# Altium PCB DM2080.PcbDoc (part 2 of 3)
Units mm, origin at the board's own origin, x right, y up, seen from the top; angles counter-clockwise.
Board outline 50.1 x 30.75 mm, 6 copper layers (Top Copper, Layer 1, Layer 2, Layer 3, Layer 4, Bottom Layer), stack 1.578 mm thick; 159 components, 153 nets, 662 pads, 471 vias.
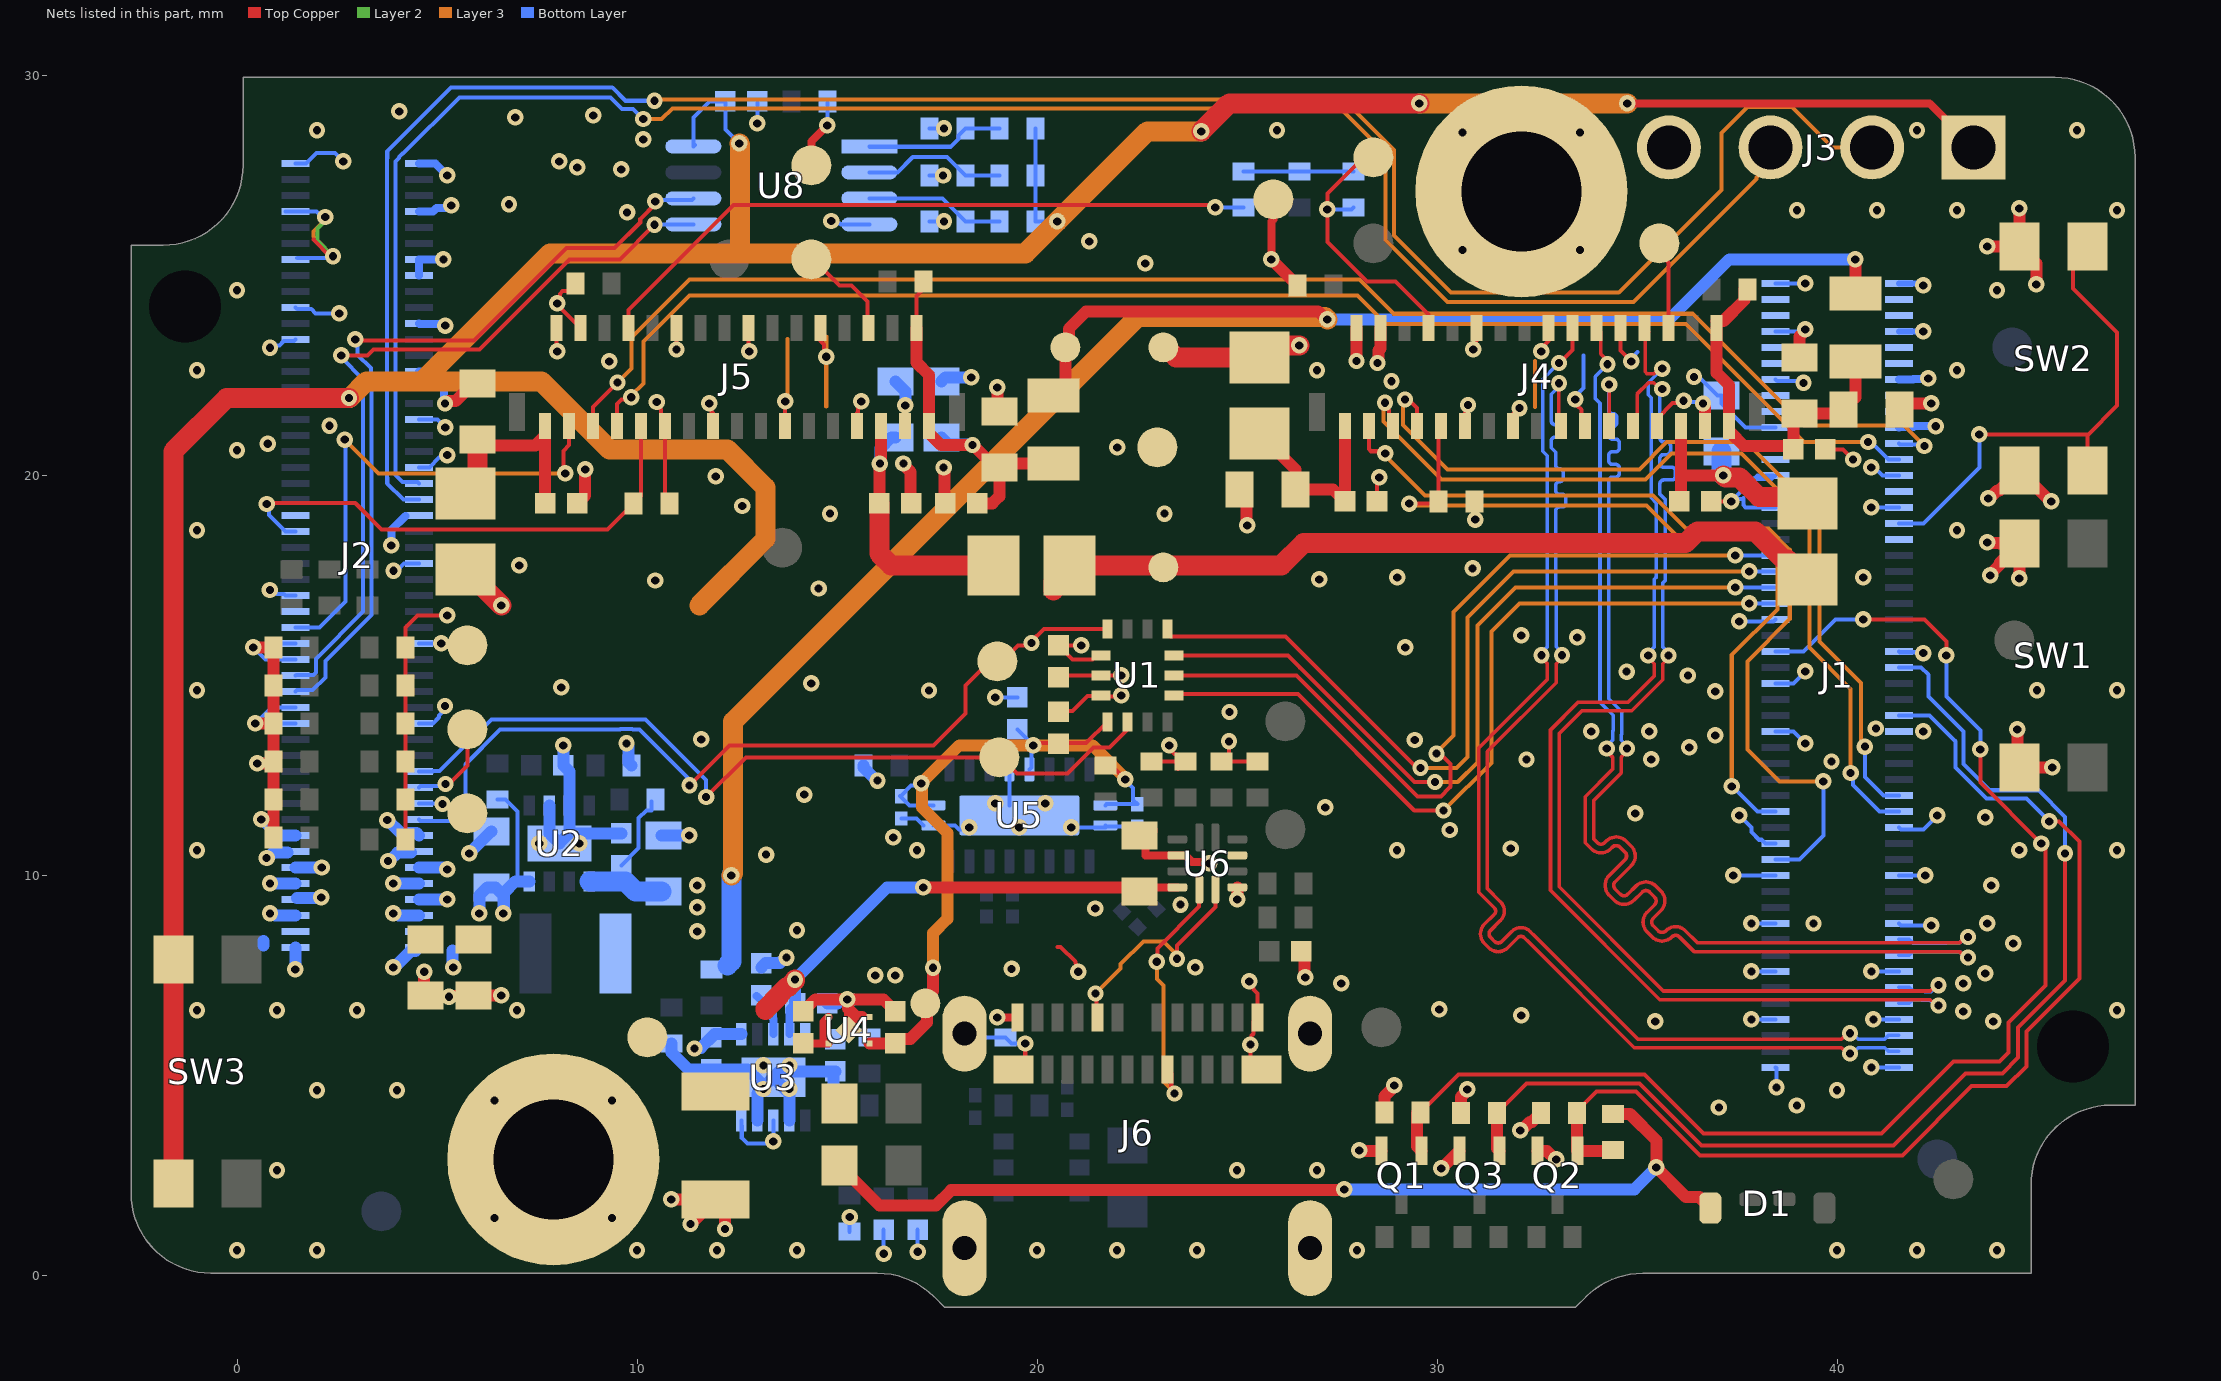
[diagram p6: the nets of this part, all layers, seen from the top]

## Part data (continued)
R34: library part RC0402FR-075K11L, "RES SMD 5.11K OHM 1% 1/16W 0402 5.11 kOhms ±1% 0.063W, 1/16W Chip Resistor 0402 (1005 Metric) Moisture Resistant Thick Film", Case Code (Imperial)=0402, Case Code (Metric)=1005, Manufacturer 1=Yageo, Max Operating Temperature=155°C, Max Power Dissipation=63mW, Min Operating Temperature=-55°C, Package Quantity=1, Power Rating=62.5mW, Resistance=5.11kR, Supplier Part Number 1=311-5.11KLRCT-ND, Temperature Coefficient=100ppm/°C, Tolerance=1%, Voltage Rating=50V, Case/Package=0402, ComponentLink1Description=https://datasheet.ciiva.com/2518/pyu-r-int-thick-7-2518982.pdf?src-supplier=Digi-Key, ComponentLink1URL=https://datasheet.ciiva.com/2518/pyu-r-int-thick-7-2518982.pdf?src-supplier=Digi-Key, ComponentLink2Description=https://datasheet.ciiva.com/2518/pyu-r-int-thick-7-2518983.pdf?src-supplier=Digi-Key, ComponentLink2URL=https://datasheet.ciiva.com/2518/pyu-r-int-thick-7-2518983.pdf?src-supplier=Digi-Key, ComponentLink3Description=https://datasheet.ciiva.com/5684/1018594-5684622.pdf?src-supplier=Farnell, ComponentLink3URL=https://datasheet.ciiva.com/5684/1018594-5684622.pdf?src-supplier=Farnell, ComponentLink4Description=https://datasheet.ciiva.com/16743/pyu-rc0402-51-rohs-l-6-r-16743871.pdf?src-supplier=Future+Electronics, ComponentLink4URL=https://datasheet.ciiva.com/16743/pyu-rc0402-51-rohs-l-6-r-16743871.pdf?src-supplier=Future+Electronics, Composition="Thick Film", Depth=0.5mm, Features="Moisture Resistant", Height=0.016inch, Lead Free="Lead Free", Length=1mm, Manufacturer Part Number 1=RC0402FR-075K11L, Military Standard=Not, Number of Terminations=2, Packaging="Tape and Reel", Pricing 1="1=0.10000, 10=0.01600, 100=0.00670, 1000=0.00301, 2500=0.00261, 5000=0.00215 (USD)", RoHS=Yes, Stock 1=1263456, Supplier 1=Digi-Key, Termination=SMD/SMT, Voltage Rating (DC)=50V, Width=0.02inch, Working Voltage=50V
R35: library part CMP-013-000048-1, "RES SMD 26.1K OHM 1% 1/16W 0402", Case Code (Imperial)=0402, Case Code (Metric)=1005, Manufacturer 1=Yageo, Max Operating Temperature=155°C, Max Power Dissipation=63mW, Min Operating Temperature=-55°C, Package Quantity=1, Power Rating=62.5mW, Resistance=26.1kR, Resistance Tolerance=1%, Resistor Type="Thick Film", Temperature Coefficient=100ppm/°C, Voltage Rating=50V, Case/Package=0402, Category="Chip SMD Resistors", ComponentLink1Description=https://datasheet.ciiva.com/2491/pyu-r-int-thick-7-2491282.pdf?src-supplier=Digi-Key, ComponentLink1URL=https://datasheet.ciiva.com/2491/pyu-r-int-thick-7-2491282.pdf?src-supplier=Digi-Key, ComponentLink2Description=https://datasheet.ciiva.com/2491/pyu-r-int-thick-7-2491283.pdf?src-supplier=Digi-Key, ComponentLink2URL=https://datasheet.ciiva.com/2491/pyu-r-int-thick-7-2491283.pdf?src-supplier=Digi-Key, ComponentLink3Description=https://datasheet.ciiva.com/2491/pyu-r-int-thick-7-2491284.pdf?src-supplier=Digi-Key, ComponentLink3URL=https://datasheet.ciiva.com/2491/pyu-r-int-thick-7-2491284.pdf?src-supplier=Digi-Key, ComponentLink4Description=https://datasheet.ciiva.com/28401/pyu-rc0402-51-rohs-l-6-28401479.pdf?src-supplier=Avnet+Europe, ComponentLink4URL=https://datasheet.ciiva.com/28401/pyu-rc0402-51-rohs-l-6-28401479.pdf?src-supplier=Avnet+Europe, ComponentLink5Description=https://datasheet.ciiva.com/7983/1018594-7983512.pdf?src-supplier=Element14, ComponentLink5URL=https://datasheet.ciiva.com/7983/1018594-7983512.pdf?src-supplier=Element14, ComponentLink6Description=https://datasheet.ciiva.com/5595/pyu-rc0402-51-rohs-l-6-r-8721-5595932.pdf?src-supplier=Mouser, ComponentLink6URL=https://datasheet.ciiva.com/5595/pyu-rc0402-51-rohs-l-6-r-8721-5595932.pdf?src-supplier=Mouser, Construction=Rectangular, Contact Plating=Tin,Matte, Depth=0.5mm, Design Item ID=RC0402FR-0726K1L, Features="Moisture Resistant", Height=0.016inch, Lead Free="Lead Free", Length=1mm, Manufacturer Part Number 1=RC0402FR-0726K1L, Military Standard=Not, Number of Terminations=2, Packaging="Tape and Reel", Pricing 1="1=0,10000, 10=0,01400, 100=0,00580, 1000=0,00260, 2500=0,00226, 5000=0,00186 (USD)", REACH SVHC="No SVHC", RoHS=Yes, RoHS Compliant=Yes, Series=RC, Size Code=0402, Source=LuxonisMaster.SchLib, Stock 1=186950, Termination=SMD/SMT, Tolerance=1%, Voltage Rating (DC)=50V, Width=0.02inch
R36: library part CMP-013-000057-1, "RES SMD 6.19K 1% 1/16W 0402", Case Code (Imperial)=0402, Case Code (Metric)=1005, Manufacturer 1=Yageo, Max Operating Temperature=155°C, Max Power Dissipation=63mW, Min Operating Temperature=-55°C, Power Rating=62.5mW, Resistance=6.19kR, Resistor Type="Thick Film", Temperature Coefficient=100ppm/°C, Tolerance=1%, Voltage Rating=50V, Case/Package=0402, Category="Chip SMD Resistors", ComponentLink1Description=https://datasheet.ciiva.com/8892/pyu-rc0402-51-rohs-l-6-8892361.pdf?src-supplier=Avnet, ComponentLink1URL=https://datasheet.ciiva.com/8892/pyu-rc0402-51-rohs-l-6-8892361.pdf?src-supplier=Avnet, ComponentLink2Description=https://datasheet.ciiva.com/17066/pyu-rc0402-51-rohs-l-6-r-17066229.pdf?src-supplier=Future+Electronics, ComponentLink2URL=https://datasheet.ciiva.com/17066/pyu-rc0402-51-rohs-l-6-r-17066229.pdf?src-supplier=Future+Electronics, Construction=Rectangular, Contact Plating=Tin,Matte, Depth=0.5mm, Design Item ID=RC0402FR-076K19L, Features="Moisture Resistant", Lead Free="Lead Free", Length=1mm, Manufacturer Part Number 1=RC0402FR-076K19L, Military Standard=Not, Number of Terminations=2, Packaging="Tape and Reel", Pricing 1="1=0,10000, 10=0,01240, 25=0,01040 (USD)", RoHS=Yes, RoHS Compliant=Yes, Series=RC, Size Code=0402, Source=LuxonisMaster.SchLib, Stock 1=37, Termination=SMD/SMT, Voltage Rating (DC)=50V
R45 R46: library part CRCW04021M80FKED, "RES SMD 1.8M OHM 1% 1/16W 0402", Case Code (Imperial)=0402, Case Code (Metric)=1005, Manufacturer 1=Vishay, Max Operating Temperature=155°C, Min Operating Temperature=-55°C, Package Quantity=10000, Power Rating=63mW, Resistance=1.8MR, Supplier Part Number 1=541-1.80MLCT-ND, Temperature Coefficient=100ppm/°C, Tolerance=1%, Voltage Rating=50V, Case/Package=0402, ComponentLink1Description=https://datasheet.ciiva.com/11812/0900766b80d98824-11812579.pdf?src-supplier=RSComponents, ComponentLink1URL=https://datasheet.ciiva.com/11812/0900766b80d98824-11812579.pdf?src-supplier=RSComponents, ComponentLink2Description=https://datasheet.ciiva.com/16886/dcrcwe3-16886536.pdf?src-supplier=Avnet+Europe, ComponentLink2URL=https://datasheet.ciiva.com/16886/dcrcwe3-16886536.pdf?src-supplier=Avnet+Europe, ComponentLink3Description=https://datasheet.ciiva.com/7800/1697337-7800987.pdf?src-supplier=Element14, ComponentLink3URL=https://datasheet.ciiva.com/7800/1697337-7800987.pdf?src-supplier=Element14, ComponentLink4Description=https://datasheet.ciiva.com/16786/70201119-16786875.pdf?src-supplier=Allied+Electronics, ComponentLink4URL=https://datasheet.ciiva.com/16786/70201119-16786875.pdf?src-supplier=Allied+Electronics, ComponentLink5Description=https://datasheet.ciiva.com/22676/1700796-22676027.pdf?src-supplier=Element14, ComponentLink5URL=https://datasheet.ciiva.com/22676/1700796-22676027.pdf?src-supplier=Element14, ComponentLink6Description=https://datasheet.ciiva.com/7800/1697337-7800988.pdf?src-supplier=Element14, ComponentLink6URL=https://datasheet.ciiva.com/7800/1697337-7800988.pdf?src-supplier=Element14, ComponentLink7Description=https://datasheet.ciiva.com/26316/fld-crcw-e3-data-en-26316605.pdf?src-supplier=Distrelec, ComponentLink7URL=https://datasheet.ciiva.com/26316/fld-crcw-e3-data-en-26316605.pdf?src-supplier=Distrelec, ComponentLink8Description=https://datasheet.ciiva.com/8336/dcrcwe3-8336646.pdf?src-supplier=Avnet, ComponentLink8URL=https://datasheet.ciiva.com/8336/dcrcwe3-8336646.pdf?src-supplier=Avnet, Composition="Thick Film", Contact Plating=Tin, Depth=0.5mm, Height=0.35mm, Lead Free="Lead Free", Length=1mm, Manufacturer Part Number 1=CRCW04021M80FKED, Military Standard=Not, Mount="Surface Mount", Number of Pins=2, Packaging="Tape and Reel", Pricing 1="1=0.10000, 10=0.03800, 100=0.01540, 1000=0.00690, 2500=0.00599, 5000=0.00495 (USD)", Radiation Hardening=No, REACH SVHC=Unknown, RoHS=Yes, Stock 1=26061, Supplier 1=Digi-Key, Termination=SMD/SMT, Voltage Rating (DC)=50V, Weight=2.3E-05oz, Width=0.5mm
R51: library part CRCW0402470RFKED, "RES SMD 470 OHM 1% 1/16W 0402", Case Code (Imperial)=0402, Case Code (Metric)=1005, Manufacturer 1=Vishay, Max Operating Temperature=155°C, Max Power Dissipation=63mW, Min Operating Temperature=-55°C, Package Quantity=10, Resistance=470R, Supplier Part Number 1=541-470LCT-ND, Temperature Coefficient=100ppm/°C, Tolerance=1%, Voltage Rating=50V, Case/Package=0402, ComponentLink1Description=https://datasheet.ciiva.com/11811/0900766b80d98824-11811416.pdf?src-supplier=RSComponents, ComponentLink1URL=https://datasheet.ciiva.com/11811/0900766b80d98824-11811416.pdf?src-supplier=RSComponents, ComponentLink2Description=https://datasheet.ciiva.com/16764/70201119-16764886.pdf?src-supplier=Allied+Electronics, ComponentLink2URL=https://datasheet.ciiva.com/16764/70201119-16764886.pdf?src-supplier=Allied+Electronics, ComponentLink3Description=https://datasheet.ciiva.com/28613/1720486-28613479.pdf?src-supplier=Element14, ComponentLink3URL=https://datasheet.ciiva.com/28613/1720486-28613479.pdf?src-supplier=Element14, ComponentLink4Description=https://datasheet.ciiva.com/3256/dcrcwe3-3256553.pdf?src-supplier=Avnet, ComponentLink4URL=https://datasheet.ciiva.com/3256/dcrcwe3-3256553.pdf?src-supplier=Avnet, ComponentLink5Description=https://datasheet.ciiva.com/7777/1720486-7777243.pdf?src-supplier=Element14, ComponentLink5URL=https://datasheet.ciiva.com/7777/1720486-7777243.pdf?src-supplier=Element14, ComponentLink6Description=https://datasheet.ciiva.com/8336/dcrcwe3-8336715.pdf?src-supplier=Avnet, ComponentLink6URL=https://datasheet.ciiva.com/8336/dcrcwe3-8336715.pdf?src-supplier=Avnet, ComponentLink7Description=https://datasheet.ciiva.com/7777/1697337-7777244.pdf?src-supplier=Element14, ComponentLink7URL=https://datasheet.ciiva.com/7777/1697337-7777244.pdf?src-supplier=Element14, ComponentLink8Description=https://datasheet.ciiva.com/2463/dcrcwe3-2463085.pdf?src-supplier=Digi-Key, ComponentLink8URL=https://datasheet.ciiva.com/2463/dcrcwe3-2463085.pdf?src-supplier=Digi-Key, ComponentLink9Description=https://datasheet.ciiva.com/16362/dcrcwe3-16362109.pdf?src-supplier=Future+Electronics, ComponentLink9URL=https://datasheet.ciiva.com/16362/dcrcwe3-16362109.pdf?src-supplier=Future+Electronics, ComponentLink10Description=https://datasheet.ciiva.com/16882/dcrcwe3-16882493.pdf?src-supplier=Avnet+Europe, ComponentLink10URL=https://datasheet.ciiva.com/16882/dcrcwe3-16882493.pdf?src-supplier=Avnet+Europe, ComponentLink11Description=https://datasheet.ciiva.com/2463/dcrcwe3-2463086.pdf?src-supplier=Digi-Key, ComponentLink11URL=https://datasheet.ciiva.com/2463/dcrcwe3-2463086.pdf?src-supplier=Digi-Key, ComponentLink12Description=https://datasheet.ciiva.com/2463/dcrcwe3-2463087.pdf?src-supplier=Digi-Key, ComponentLink12URL=https://datasheet.ciiva.com/2463/dcrcwe3-2463087.pdf?src-supplier=Digi-Key, Composition="Thick Film", Contact Plating=Tin, Depth=0.5mm, Features="Automotive AEC-Q200", Height=0.35mm, Lead Free="Lead Free", Length=1mm, Manufacturer Part Number 1=CRCW0402470RFKED, Military Standard=Not, Mount="Surface Mount", Number of Terminations=2, Packaging="Tape and Reel", Power Rating=63mW, Pricing 1="1=0.10000, 10=0.03800, 100=0.01540, 1000=0.00690, 2500=0.00599, 5000=0.00495 (USD)", Radiation Hardening=No, REACH SVHC=Unknown, RoHS=Yes, Stock 1=9199, Supplier 1=Digi-Key, Supplier 2=Newark, Supplier Part Number 2=26W9133, Termination=SMD/SMT, Voltage Rating (DC)=50V, Weight=2.3E-05oz, Width=0.5mm
R52: library part ERJ-2RKF1782X, "RES SMD 17.8K OHM 1% 1/10W 0402 17.8 kOhms ±1% 0.1W, 1/10W Chip Resistor 0402 (1005 Metric) Automotive AEC-Q200 Thick Film", Case Code (Imperial)=0402, Case Code (Metric)=1005, Manufacturer 1=Panasonic, Max Operating Temperature=155°C, Max Power Dissipation=100mW, Min Operating Temperature=-55°C, Package Quantity=1, Resistance=17.8kR, Supplier Part Number 1=P17.8KLCT-ND, Temperature Coefficient=100ppm/°C, Tolerance=1%, Voltage Rating=50V, Case/Package=0402, ComponentLink1Description=https://datasheet.ciiva.com/24027/aoa0000ce2-24027013.pdf?src-supplier=Mouser, ComponentLink1URL=https://datasheet.ciiva.com/24027/aoa0000ce2-24027013.pdf?src-supplier=Mouser, ComponentLink2Description=https://datasheet.ciiva.com/46372/1678782-46372997.pdf?src-supplier=Element14, ComponentLink2URL=https://datasheet.ciiva.com/46372/1678782-46372997.pdf?src-supplier=Element14, ComponentLink3Description=https://datasheet.ciiva.com/28594/1694929-28594534.pdf?src-supplier=Element14, ComponentLink3URL=https://datasheet.ciiva.com/28594/1694929-28594534.pdf?src-supplier=Element14, ComponentLink4Description=https://datasheet.ciiva.com/46372/1678782-46372998.pdf?src-supplier=Element14, ComponentLink4URL=https://datasheet.ciiva.com/46372/1678782-46372998.pdf?src-supplier=Element14, ComponentLink5Description=https://datasheet.ciiva.com/22764/1678782-22764807.pdf?src-supplier=Farnell, ComponentLink5URL=https://datasheet.ciiva.com/22764/1678782-22764807.pdf?src-supplier=Farnell, ComponentLink6Description=https://datasheet.ciiva.com/16769/70260748-16769816.pdf?src-supplier=Allied+Electronics, ComponentLink6URL=https://datasheet.ciiva.com/16769/70260748-16769816.pdf?src-supplier=Allied+Electronics, ComponentLink7Description=https://datasheet.ciiva.com/30116/aoa0000ce2-30116554.pdf?src-supplier=Onlinecomponents.com, ComponentLink7URL=https://datasheet.ciiva.com/30116/aoa0000ce2-30116554.pdf?src-supplier=Onlinecomponents.com, ComponentLink8Description=https://datasheet.ciiva.com/16775/70260748-16775211.pdf?src-supplier=Allied+Electronics, ComponentLink8URL=https://datasheet.ciiva.com/16775/70260748-16775211.pdf?src-supplier=Allied+Electronics, ComponentLink9Description=https://datasheet.ciiva.com/43467/1678782-43467419.pdf?src-supplier=Farnell, ComponentLink9URL=https://datasheet.ciiva.com/43467/1678782-43467419.pdf?src-supplier=Farnell, ComponentLink10Description=https://datasheet.ciiva.com/22668/1678782-22668623.pdf?src-supplier=Element14, ComponentLink10URL=https://datasheet.ciiva.com/22668/1678782-22668623.pdf?src-supplier=Element14, Composition="Thick Film", Contact Plating=Tin, Depth=0.5mm, Features="Automotive AEC-Q200", Height=0.35mm, Lead Free="Lead Free", Length=1mm, Manufacturer Part Number 1=ERJ-2RKF1782X, Military Standard=Not, Mount="Surface Mount", Number of Terminations=2, Packaging="Tape and Reel", Power Rating=100mW, Pricing 1="1=0.10000, 10=0.04500, 100=0.01830, 1000=0.00823, 2500=0.00715, 5000=0.00590 (USD)", REACH SVHC=Unknown, RoHS=Yes, Stock 1=250542, Supplier 1=Digi-Key, Termination=SMD/SMT, Voltage Rating (DC)=50V, Width=0.02inch
SW1 SW2 SW3: library part CMP-011-00016-3, "Keypad Switch, 1 Switches, SPST, Momentary-tactile, 0.05A, 12VDC, 2.65N, Solder Terminal, Surface Mount-right Angle", Current Rating=50mA, Manufacturer 1="Wurth Electronics", Supplier Part Number 1=732-7055-2-ND, Voltage Rating=12V, Case/Package=434331045822, Manufacturer Part Number 1=434331045822, Max Current Rating=50mA, Mounting Technology=SMD, Pins=4, Supplier 1=Digi-Key, Throw Configuration=SPST-NO
TP1 TP2 TP3 TP4 TP5 TP6 TP7 TP8 TP9 TP10 TP11 TP12 TP13 TP14 TP15 TP16 TP17 TP18 TP19 TP20 TP21: library part TEST_POINT
  TP7 TP8 TP14: REACH SVHC="No SVHC", RoHS=Yes
U1: "Accelerometer, Gyroscope, 6 Axis Sensor IÂ²C, SPI Output", Manufacturer 1="Bosch Sensortec", Package="LGA-14 Bosch Sensortec", Availability=Unavailable, Manufacturer Part Number 1=BMI270, Price=None, SnapEDA_Link=https://www.snapeda.com/parts/BMI270/Bosch%20Sensortec/view-part/3595167/?ref=snap
U2: "IC REG BUCK ADJ 1.2A SYNC 8WSON", Manufacturer 1="Texas Instruments", Manufacturer Part Number 1=TLV62080DSGR, Manufacturer Part Number 2=TLV62080DSGT, Max Input Voltage=5.5V, Max Operating Temperature=125°C, Max Output Current=1.2A, Max Output Voltage=4V, Min Input Voltage=2.5V, Min Operating Temperature=-40°C, Min Output Voltage=500mV, Nominal Supply Current=30uA, Package Quantity=3000, Supplier Part Number 1=296-39270-1-ND, Switching Frequency=2MHz, ComponentLink1Description=https://datasheet.ciiva.com/6604/tlv62080-6604087.pdf?src-supplier=Digi-Key, ComponentLink1URL=https://datasheet.ciiva.com/6604/tlv62080-6604087.pdf?src-supplier=Digi-Key, ComponentLink2Description=https://datasheet.ciiva.com/14378/tlv62080-14378282.pdf?src-supplier=Avnet, ComponentLink2URL=https://datasheet.ciiva.com/14378/tlv62080-14378282.pdf?src-supplier=Avnet, ComponentLink3Description=https://datasheet.ciiva.com/29732/tlv62080-29732147.pdf?src-supplier=Digi-Key, ComponentLink3URL=https://datasheet.ciiva.com/29732/tlv62080-29732147.pdf?src-supplier=Digi-Key, ComponentLink4Description=https://datasheet.ciiva.com/29732/tlv62080-29732156.pdf?src-supplier=Digi-Key, ComponentLink4URL=https://datasheet.ciiva.com/29732/tlv62080-29732156.pdf?src-supplier=Digi-Key, ComponentLink5Description=https://datasheet.ciiva.com/29732/tlv62080-29732151.pdf?src-supplier=Digi-Key, ComponentLink5URL=https://datasheet.ciiva.com/29732/tlv62080-29732151.pdf?src-supplier=Digi-Key, ComponentLink6Description=https://datasheet.ciiva.com/14378/tlv62080-14378283.pdf?src-supplier=Avnet, ComponentLink6URL=https://datasheet.ciiva.com/14378/tlv62080-14378283.pdf?src-supplier=Avnet, ComponentLink7Description=https://datasheet.ciiva.com/26104/tlv62080-26104460.pdf?src-supplier=Avnet+Europe, ComponentLink7URL=https://datasheet.ciiva.com/26104/tlv62080-26104460.pdf?src-supplier=Avnet+Europe, Contact Plating=Gold, Lead Free="Lead Free", Manufacturer 2="Texas Instruments", Min Supply Voltage=2.5V, Mount="Surface Mount", Number of Outputs=1, Number of Pins=8, Output Configuration=Positive, Output Current=1.2A, Output Type=Adjustable, Output Voltage=4V, Packaging="Tape and Reel", Pricing 1="1=1.35000, 10=1.20300, 100=0.93810, 500=0.77498, 1000=0.61182 (USD)", Pricing 2="1=1.48000, 10=1.32700, 100=1.06620 (USD)", Quiescent Current=30uA, Radiation Hardening=No, REACH SVHC="No SVHC", RoHS=Yes, Stock 1=93781, Stock 2=6366, Supplier 1=Digi-Key, Supplier 2=Digi-Key, Supplier Part Number 2=296-36759-1-ND, Synchronous Rectifier=Yes
U3: "TLV752 Dual, 1-A, High-Accuracy, Adjustable-LDO in a Small-Size Package", Manufacturer 1="Texas Instruments", Copyright="Copyright (C) 2021 Ultra Librarian. All rights reserved.", Manufacturer Part Number 1=TLV75201PDSQR, RefDes=RefDes, Type=DEV
U4: library part CMP-043-000003-3, "LDO Regulator, 300 mA, High PSRR 3.3V, Active Discharge", Dropout Voltage=135mV, Manufacturer 1="ON Semiconductor", Max Input Voltage=5.5V, Max Operating Temperature=85°C, Max Output Current=300mA, Min Input Voltage=1.7V, Min Operating Temperature=-40°C, Min Output Voltage=3.3V, Package Quantity=3000, Power Supply Rejection Ratio (PSRR)=75dB, Quiescent Current=95uA, Accuracy=1%, Contact Plating=Gold, Lead Free="Lead Free", Manufacturer Part Number 1=NCP114AMX330TCG, Min Current Limit=300mA, Mount="Surface Mount", Number of Outputs=1, Number of Pins=4, Number of Regulators=1, Output Configuration=Positive, Output Current=300mA, Output Type=Fixed, Output Voltage=3.3V, Packaging="Tape and Reel", Polarity=Positive, Radiation Hardening=No, RoHS Compliant=Yes, Series=-
U5: library part CBTL02043A, "Multiplexer And Demux/Decoder, CBT/FST/QS/5C/B Series, 1-Func, 2 Line Input, 1 Line Output, True Output, PQCC20", Manufacturer 1="NXP Semiconductors", Manufacturer Part Number 1=CBTL02043ABQ,115, Supplier Part Number 1=568-6678-1-ND, Category="Interface ICs", ComponentLink1Description=https://datasheet.ciiva.com:443/pdfs/VipMasterIC/IC/PHGL/PHGL-S-A0000727649/PHGL-S-A0000727649-1.pdf?src-supplier=IHS+Markit, ComponentLink1URL=https://datasheet.ciiva.com:443/pdfs/VipMasterIC/IC/PHGL/PHGL-S-A0000727649/PHGL-S-A0000727649-1.pdf?src-supplier=IHS+Markit, ComponentLink2Description=https://datasheet.ciiva.com/4921/cbtl02043a-cbtl02043b-87520-4921245.pdf?src-supplier=Mouser, ComponentLink2URL=https://datasheet.ciiva.com/4921/cbtl02043a-cbtl02043b-87520-4921245.pdf?src-supplier=Mouser, ComponentLink3Description=https://datasheet.ciiva.com/6637/cbtl02043a-cbtl02043b-6637066.pdf?src-supplier=Digi-Key, ComponentLink3URL=https://datasheet.ciiva.com/6637/cbtl02043a-cbtl02043b-6637066.pdf?src-supplier=Digi-Key, Pricing 1="1=1,77000, 10=1,63000 (USD)", RoHS=Yes, Stock 1=19938, Supplier 1=Digi-Key
U6: library part PTN5150A, "Power Supply Support Circuit, Fixed, 2 Channel, 0.2, PQCC12", Manufacturer 1="NXP Semiconductors", Manufacturer Part Number 1=PTN5150AHXMP, Supplier Part Number 1=568-13084-1-ND, Category="Integrated Circuits (ICs)", ComponentLink1Description=https://www.nxp.com/docs/en/data-sheet/PTN5150.pdf?src-supplier=Digi-Key, ComponentLink1URL=https://www.nxp.com/docs/en/data-sheet/PTN5150.pdf?src-supplier=Digi-Key, ComponentLink2Description=http://www.farnell.com/datasheets/2615733.pdf?src-supplier=Newark, ComponentLink2URL=http://www.farnell.com/datasheets/2615733.pdf?src-supplier=Newark, Pricing 1="1=1,07000, 10=0,95400, 25=0,90560, 100=0,87780 (USD)", RoHS=Yes, Stock 1=2334, Supplier 1=Digi-Key
U8: library part 24AA32A-I/MS, "IC EEPROM 32K I2C 400KHZ 8MSOP Memory IC 32Kb (4K x 8) I²C 400kHz 900ns 8-MSOP", Case/Package=MSOP, Frequency=400kHz, Manufacturer 1=Microchip, Max Operating Temperature=85°C, Max Supply Voltage=5.5V, Min Operating Temperature=-40°C, Min Supply Voltage=1.7V, Nominal Supply Current=3mA, Package Quantity=100, Supplier Part Number 1=24AA32A-I/MS-ND, Access Time=3500ns, ComponentLink1Description=https://datasheet.ciiva.com/16309/filehandler-aspxddocname-en011853-16309808.pdf?src-supplier=Future+Electronics, ComponentLink1URL=https://datasheet.ciiva.com/16309/filehandler-aspxddocname-en011853-16309808.pdf?src-supplier=Future+Electronics, ComponentLink2Description=https://datasheet.ciiva.com/16621/21713l-16621382.pdf?src-supplier=Avnet+Europe, ComponentLink2URL=https://datasheet.ciiva.com/16621/21713l-16621382.pdf?src-supplier=Avnet+Europe, ComponentLink3Description=https://datasheet.ciiva.com/3185/21713l-3185209.pdf?src-supplier=Avnet, ComponentLink3URL=https://datasheet.ciiva.com/3185/21713l-3185209.pdf?src-supplier=Avnet, ComponentLink4Description=https://datasheet.ciiva.com/1154/1688094-1154810.pdf?src-supplier=Element14, ComponentLink4URL=https://datasheet.ciiva.com/1154/1688094-1154810.pdf?src-supplier=Element14, ComponentLink5Description=https://datasheet.ciiva.com/41454/001085239-da-01-en-ic-eeprom-32kbit-24aa32a-i-ms-msop-8-mcp-41454934.pdf?src-supplier=Conrad, ComponentLink5URL=https://datasheet.ciiva.com/41454/001085239-da-01-en-ic-eeprom-32kbit-24aa32a-i-ms-msop-8-mcp-41454934.pdf?src-supplier=Conrad, Contact Plating=Tin,Matte, Density=32Kb, Height=0.85mm, Interface=I2C,Serial,2-Wire, Lead Free="Lead Free", Length=3mm, Manufacturer Part Number 1=24AA32A-I/MS, Max Frequency=400kHz, Memory Size=32Kb, Memory Type=EEPROM, Mount="Surface Mount", Number of Pins=8, Packaging=Rail/Tube, Pricing 1="1=0.39000, 25=0.38120, 100=0.36050 (USD)", Radiation Hardening=No, REACH SVHC="No SVHC", RoHS=Yes, Stock 1=4213, Supplier 1=Digi-Key, Supplier 2=Mouser, Supplier 3=Newark, Supplier Part Number 2=579-24AA32A-I/MS, Supplier Part Number 3=38AH9658, Width=3mm

## Free pads (board coordinates)
  round 1 hole 1.8 unplated: 2(-1.304,24.223) 2(45.896,5.723)

## Via types
v1: diameter 0.406, hole 0.203, Top Copper to Bottom Layer, tented both sides, 471 vias

## Nets (pads, with @x,y where several pads share a name; then routed paths per layer and width w, separated by ;. In a path a pad name is that pad's centre, name@x,y a point inside that pad or via, vN(x,y) a via of type N, cw(c..) or ccw(c..) an arc to the next point about the centre after c; other vN are vias at no path point)
1V2: C14.2 C15.2 FB2.1 FB4.1 L1.2 R31.2 TP6.1 U2.5 | length 23.5
  Top Copper w0.5: FB4.1@20.4,17.122 20.4,17.35 FB4.1@20.8,17.75 22.5,17.75 23.15,17.75 26.1,17.75 26.66,18.31 36.21,18.31 36.5,18.6 37.95,18.6 38.65,17.9 38.75,17.9 38.85,17.8 FB2.1@38.85,17.7
  Bottom Layer w0.102: C15.2@9.6,10.25 10.032,10.682 10.032,11.429 10.227,11.625 10.35,11.625 R31.2@10.35,11.85
  Bottom Layer w0.5: U2.5@8.8,9.85 9.7,9.85 9.95,9.6 C14.2@10.6,9.6
  other v1: 11.5,8.6 11.5,9.2 11.5,9.75
1V2_L: C3.2 C4.2 FB2.2 J4.29 | length 5.9
  Top Copper w0.3: C3.2@36.05,19.35 36.088,19.388 36.088,20.042 ; J4.29@36.088,21.234 36.088,20.042 ; v1(37.15,20) 36.129,20 36.088,20.042
  Top Copper w0.5: v1(37.15,20) 37.2,19.95 37.55,19.95 38.043,19.457 39.193,19.457 FB2.2@39.25,19.4
  Bottom Layer w0.5: C4.2@37.1,20.6 37.1,20.05 v1(37.15,20)
1V2_R: C22.2 C23.2 FB4.2 J5.29 | length 7
  Top Copper w0.3: C22.2@16.05,19.3 16.057,19.307 16.057,20.286 v1(16.064,20.292) ; v1@16.088,20.297 16.084,20.301 16.084,20.342 16.088,20.345 J5.29@16.088,21.234
  Top Copper w0.5: C22.2@16.05,19.3 16.05,18.043 16.343,17.75 FB4.2@18.9,17.75
  Bottom Layer w0.3: v1(16.064,20.292) 16.084,20.313 16.084,20.684 16.35,20.95 C23.2@16.45,20.95
1V8: C2.2 C16.2 C61.2 FB1.1 FB3.1 J3.1 R8.2 R9.2 R10.2 R11.2 R12.2 R13.2 R33.2 R44.2 R47.2 R49.2 R50.2 R59.2 R60.2 R61.2 SW3.2 SW3.4 TP7.1 U1.5 U3.10 U8.8 | length 105.9
  Top Copper w0.102: R13.2@4.2,10.95 R12.2@4.2,11.9 R11.2@4.2,12.85 R10.2@4.2,13.8 R9.2@4.2,14.75 4.2,16.2 4.5,16.5 v1(5.25,16.5) ; v1(21.1,15.75) C2.2@20.53,15.75 20.88,15.4 21.375,15.4 21.475,15.5 U1.5@21.588,15.5 ; R47.2@22.85,12.85 R50.2@23.65,12.85 ; v1(23.3,13.25) 23.3,13.168 R50.2@23.43,13.038 ; R50.2@23.471,12.85 23.512,12.662 23.512,12.676 23.686,12.85 R50.2@23.7,12.85 R50.2@23.65,12.85 ; R50.2@23.476,13.024 R50.2@23.65,12.85 ; v1(24.793,13.35) R49.2@24.793,13.024 ; R44.2@25.5,12.85 R49.2@24.793,12.85 ; R49.2@24.793,12.85 R49.2@24.6,12.85 24.619,12.85 R49.2@24.793,13.024 ; R49.2@24.793,12.85 R49.2@24.793,13.024
  Top Copper w0.2: v1(34.75,29.3) 42.31,29.3 J3.1@43.41,28.2
  Top Copper w0.5: SW3.2@-1.6,2.3 SW3.4@-1.6,7.9 -1.6,20.6 -0.269,21.931 v1(2.791,21.931) ; FB3.1@5.7,17.65 v1(6.6,16.75) ; TP7.1@23.15,23.2 23.218,23.2 23.468,22.95 FB1.1@25.55,22.95 25.85,23.25 v1(26.55,23.25) ; v1(24.1,28.6) 24.8,29.3 v1(29.55,29.3)
  Layer 3 w0.5: v1(2.791,21.931) 2.804,21.931 3.224,22.35 4.621,22.35 ; 11.55,16.75 13.207,18.407 13.207,19.693 12.25,20.65 9.3,20.65 7.6,22.35 4.621,22.35 ; v1(12.55,28.3) 12.573,28.277 12.573,25.55 ; v1(24.1,28.6) 22.75,28.6 v1(20.5,26.35) 19.7,25.55 12.573,25.55 ; v1(29.55,29.3) v1(34.75,29.3) ; 4.621,22.35 7.821,25.55 12.573,25.55
  Bottom Layer w0.102: U8.8@11.437,28.263 U8.8@11.4,28.225 11.4,28.95 11.8,29.35 C61.2@12.2,29.35 12.2,28.65 v1(12.55,28.3) v1@12.513,28.263 ; R59.2@19.95,28.675 R60.2@19.95,27.5 R61.2@19.95,26.35 v1(20.5,26.35)
  other v1: 15.95,7.5 16.45,7.5
1V8_L: C5.2 C6.2 FB1.2 J4.1 | length 5
  Top Copper w0.3: FB1.2@25.55,21.05 26.45,20.15 C6.2@26.45,19.65 27.39,19.65 C5.2@27.69,19.35 27.69,21.232 J4.1@27.688,21.234
1V8_R: C24.2 C25.2 FB3.2 J5.1 | length 5.1
  Top Copper w0.3: C25.2@6.1,20.857 6.207,20.75 7.45,20.75 J5.1@7.688,20.988 ; J5.1@7.688,21.234 J5.1@7.688,20.988 ; C24.2@7.7,19.3 7.688,19.312 J5.1@7.688,20.988
  Top Copper w0.5: FB3.2@5.7,19.55 6,19.85 C25.2@6,20.9
2V8: C18.2 R25.1 R35.2 R37.1 TP14.1 U3.8 | length 49.6
  Top Copper w0.3: R37.1@20.4,22 20.7,22.3 TP14.1@20.7,23.2 20.786,23.286 20.786,23.664 21.222,24.1 27.021,24.1 27.221,23.9 v1(27.25,23.9) ; R25.1@40.45,24.55 v1(40.45,25.4)
  Layer 3 w0.5: v1(12.35,10) 12.396,10.046 12.396,13.846 22.508,23.958 27.192,23.958 v1(27.25,23.9)
  Bottom Layer w0.2: C18.2@12.984,6.985 13.39,6.579 13.39,6.416 13.4,6.406 U3.8@13.4,6.03
  Bottom Layer w0.3: v1(27.25,23.9) 35.8,23.9 37.3,25.4 v1(40.45,25.4)
  Bottom Layer w0.5: 12.25,7.75 12.35,7.85 v1(12.35,10)
2V8_L: C7.2 C8.2 C9.2 J4.32 J4.33 R25.2 R26.1 | length 9.3
  Top Copper w0.3: J4.32@36.98,23.679 36.98,23.421 36.986,23.416 36.986,22.564 37.288,22.262 37.288,21.059 37.343,21.059 37.665,20.737 38.813,20.737 C7.2@38.9,20.65 38.9,20.8 38.9,21.4 C9.2@39.05,21.55 40.05,21.55 C8.2@40.15,21.65 40.45,21.95 R25.2@40.45,22.85 ; J4.32@36.98,23.859 37.155,23.859 37.675,24.379 37.675,24.661 R26.1@37.75,24.736
2V8_R: C26.2 C27.2 C28.2 J5.32 J5.33 R37.2 R38.1 | length 9.7
  Top Copper w0.102: J5.32@16.98,23.684 16.98,24.48 R38.1@17.25,24.75
  Top Copper w0.3: J5.32@16.98,23.684 16.98,22.82 17.288,22.512 17.288,21.059 17.591,20.756 v1(18.382,20.756) ; v1@18.362,20.788 18.95,20.2 C28.2@19.05,20.2 ; C26.2@18.5,19.3 18.874,19.3 19.05,19.476 C28.2@19.05,20.2 ; R37.2@20.4,20.3 19.15,20.3 C28.2@19.05,20.2
  Bottom Layer w0.3: C27.2@17.6,20.95 17.774,20.776 18.362,20.776 v1(18.382,20.756)
3V3: C1.2 C20.2 C36.2 C37.2 C38.2 R43.2 TP8.1 U1.8 U4.1 U5.1 U5.6 U5.10 | length 21
  Top Copper w0.102: v1(19.9,13.25) 19.958,13.308 21.221,13.308 U1.8@21.75,13.838 ; R43.2@21.7,12.75 21.85,12.75 v1(22.2,12.4)
  Top Copper w0.3: U4.1@15.8,5.8 C20.2@16.45,5.8 16.56,5.91 16.824,5.91 17.241,6.327 TP8.1@17.241,6.727 ; TP8.1@17.2,6.8 17.2,6.922 17.391,7.113 v1(17.391,7.691)
  Layer 3 w0.3: v1(17.391,7.691) 17.391,8.555 17.75,8.914 17.75,11.064 17.12,11.693 17.12,12.28 v1(17.1,12.3) 18.05,13.25 21.379,13.25 21.579,13.05 22.2,12.429 v1(22.2,12.4)
  Bottom Layer w0.102: C38.2@16.57,11.98 16.8,11.75 U5.1@17.4,11.75 ; C38.2@16.6,11.98 16.6,12 16.842,12.242 17.042,12.242 v1(17.1,12.3) ; C36.2@19.5,13.65 v1(19.9,13.25) 19.85,13.2 19.85,12.7 U5.6@19.8,12.65 ; U5.10@21.7,11.75 21.73,11.78 C37.2@22.5,11.78 22.391,11.889 22.391,12.188 22.2,12.379 v1(22.2,12.4)
5V: C10.2 C11.2 C12.2 C17.1 C19.1 C21.1 C31.1 C40.2 D1.1 J2.5 J2.6 J2.7 J2.8 J2.9 J2.10 J2.11 J2.12 R29.2 R30.2 R53.1 R66.2 TP5.1 U2.8 U3.3 U3.5 U3.6 U3.9 U4.3 U4.4 U6.12 | length 54
  Top Copper w0.2: C21.1@14.15,5.8 14.705,5.8 ; U4.4@14.78,5.8 14.705,5.8 ; U4.3@14.78,6.46 14.65,6.33 14.65,5.855 14.705,5.8 ; C40.2@22.44,9.7 U6.12@23.5,9.7
  Top Copper w0.3: R66.2@15.05,2.75 16.05,1.75 17.466,1.75 17.848,2.132 27.657,2.132 v1(27.675,2.15) ; v1(17.15,9.7) 22.44,9.7 C40.2@22.7,9.7 ; R53.1@34.387,4.034 34.816,4.034 35.475,3.375 v1(35.475,2.7) 36.219,1.956 36.549,1.956 D1.1@36.825,1.68
  Top Copper w0.5: v1(13.939,7.392) 13.939,7.373 13.779,7.212 13.744,7.212 13.538,7.006 ; 13.538,7.006 13.205,6.672 13.205,6.638 13.538,6.971 13.538,7.006
  Bottom Layer w0.102: R30.2@6.5,11.9 6.7,11.9 7,11.6 7,9.9 ; U3.5@12.6,3.871 12.6,3.744 12.611,3.732 12.611,3.439 12.758,3.292 13.342,3.292 v1(13.4,3.35) ; v1(13.4,3.35) U3.3@13.4,3.871
  Bottom Layer w0.2: U3.9@13.8,6.03 13.8,6.66 C19.1@13.945,6.805
  Bottom Layer w0.3: v1(0.82,9.05) 0.84,9.03 0.916,9.03 0.945,9 1.1,9 J2.6@1.46,9 ; v1(0.82,9.8) J2.10@1.46,9.8 ; J2.12@1.46,10.2 1.463,10.197 2.108,10.197 v1(2.11,10.194) ; J2.8@1.49,9.43 2.08,9.43 v1(2.1,9.45) ; v1(3.9,9.05) 3.92,9.03 3.996,9.03 4.025,9 4.15,9 J2.5@4.54,9 ; v1(3.9,9.8) J2.9@4.54,9.8 ; J2.7@4.54,9.4 v1(5.25,9.4) ; J2.11@4.54,10.2 5.125,10.2 5.154,10.17 5.23,10.17 v1(5.25,10.15) ; v1(6.05,9.05) 6.05,9.5 6.25,9.7 C12.2@6.35,9.7 6.45,9.7 6.65,9.5 v1(6.65,9.05) 6.67,9.07 6.67,9.57 6.95,9.85 U2.8@7.3,9.85 ; v1(11.43,5.669) 11.45,5.69 11.59,5.69 C17.1@11.929,6.03 ; C17.1@11.85,5.95 C17.1@11.929,6.03 ; U3.6@12.6,6.03 C17.1@11.929,6.03 ; C19.1@13.95,6.8 13.945,6.805 13.945,7.387 v1(13.939,7.392) 16.247,9.7 v1(17.15,9.7) ; v1(27.675,2.15) 34.925,2.15 v1(35.475,2.7)
BMI270_CS_1V8: J1.60 U1.12 | length 20.3
  Top Copper w0.102: U1.12@23.413,14.5 23.444,14.531 26.512,14.531 29.423,11.62 v1(30.157,11.62)
  Layer 3 w0.102: v1(30.157,11.62) 31.35,12.813 31.35,16.1 32.05,16.8 v1(37.8,16.8)
  Bottom Layer w0.102: v1(37.8,16.8) J1.60@38.46,16.8
BMI270_MISO_1V8: J1.64 U1.1 | length 20.8
  Top Copper w0.102: U1.1@23.25,16.163 23.25,16.05 23.324,15.976 26.208,15.976 29.497,12.687 v1(29.579,12.687)
  Layer 3 w0.102: v1(29.579,12.687) 30.478,12.687 30.75,12.959 30.75,16.45 31.9,17.6 v1(37.8,17.6)
  Bottom Layer w0.102: v1(37.8,17.6) J1.64@38.46,17.6
BMI270_MOSI_1V8: J1.62 U1.14 | length 20.4
  Top Copper w0.102: U1.14@23.413,15.5 26.262,15.5 26.559,15.203 ; 26.56,15.203 29.431,12.332 v1(29.941,12.332)
  Layer 3 w0.102: v1(29.941,12.332) 30.511,12.332 31,12.82 31,16.25 31.95,17.2 v1(37.45,17.2)
  Bottom Layer w0.102: v1(37.45,17.2) J1.62@38.46,17.2
BMI270_SCK_1V8: J1.66 U1.13 | length 21.6
  Top Copper w0.102: U1.13@23.413,15 26.476,15 29.5,11.976 30.089,11.976 30.297,12.184 30.297,12.186 30.326,12.215 30.326,12.781 30.064,13.043 v1(29.982,13.043)
  Layer 3 w0.102: v1(29.982,13.043) 29.982,13.075 30.4,13.493 30.4,16.579 31.821,18 v1(37.45,18)
  Bottom Layer w0.102: v1(37.45,18) J1.66@38.46,18
CAMA_CLK: J1.28 J4.3 | length 22.6
  Top Copper w0.102: J4.3@28.288,21.234 28.288,20.662 28.347,20.603 28.647,20.603 v1(28.7,20.55)
  Layer 3 w0.102: v1(28.7,20.55) 28.7,20.485 29.688,19.497 35.39,19.497 36.214,18.673 38.277,18.673 38.81,18.14 38.81,16.41 37.75,15.35 37.75,13.15 38.55,12.35 v1(39.65,12.35)
  Bottom Layer w0.102: J1.28@38.46,10.4 39.05,10.4 39.65,11 v1(39.65,12.35)
CAMA_PWR: J1.34 J4.9 R28.1 | length 20
  Top Copper w0.102: v1(29.3,19.293) 29.971,19.293 R28.1@30.028,19.35 30.028,21.175 J4.9@30.088,21.234
  Layer 3 w0.102: v1(29.3,19.293) 29.343,19.25 35.224,19.25 36.065,18.41 38.09,18.41 38.5,18 38.5,16.65 37.36,15.51 v1(37.36,12.224)
  Bottom Layer w0.102: v1(37.36,12.224) 37.376,12.224 38,11.6 J1.34@38.46,11.6
CAMB_CLK: J1.73
CAMB_PWR: J1.67
CAMC_CLK: J2.44
CAMC_PWR: J2.56
CAMD_CLK: J2.42 J5.3 | length 12.7
  Top Copper w0.102: v1(8.2,20.05) 8.15,20.1 8.15,20.613 8.294,20.757 8.294,21.228 J5.3@8.288,21.234
  Layer 3 w0.102: v1(2.685,20.893) 3.528,20.05 v1(8.2,20.05)
  Bottom Layer w0.102: J2.42@1.46,16.2 2.05,16.2 2.7,16.85 2.7,20.878 v1(2.685,20.893)
CAMD_PWR: J2.54 J5.9 R40.1 | length 12.9
  Top Copper w0.102: v1(0.736,19.283) 0.758,19.305 2.948,19.305 3.603,18.65 9.25,18.65 R40.1@9.9,19.3 10.088,19.488 J5.9@10.088,21.234
  Bottom Layer w0.102: v1(0.736,19.283) 0.794,19.224 0.794,19.006 1.2,18.6 J2.54@1.46,18.6
CC1: J6.A5 U6.2 | length 5.6
  Top Copper w0.102: v1(21.457,7.049) 21.479,7.028 21.479,6.471 J6.A5@21.5,6.45 ; v1(23.49,7.915) 23.489,8.252 24.45,9.212 U6.2@24.45,9.65
  Layer 3 w0.102: v1(21.457,7.049) 22.083,7.674 22.083,7.783 22.65,8.35 23.15,8.35 23.424,8.076 23.424,8.064 23.49,7.998 v1(23.49,7.915)
CC2: J6.B5 U6.1 | length 6.4
  Top Copper w0.102: v1(22.987,7.84) 23,7.853 23,8.176 24.046,9.221 24.046,9.646 U6.1@24.05,9.65 ; J6.B5@23.25,5.15 23.349,5.051 23.349,4.711 23.432,4.628 v1(23.432,4.546)
  Layer 3 w0.102: v1(22.987,7.84) 22.987,7.413 23.157,7.243 23.157,4.846 23.432,4.571 v1(23.432,4.546)
COM_AUX_IO2: R5.2 R6.2 R7.1 | length 2.8
  Bottom Layer w0.102: R6.2@25.15,27.6 R7.1@26.55,27.6 R5.2@27.9,27.6
CON_DET: U6.5
DBG_UART_RX: J2.57 J3.2 | length 53.6
  Layer 3 w0.102: v1(10.428,29.365) 10.462,29.399 27.654,29.399 28.915,28.139 28.915,26.001 30.342,24.575 34.537,24.575 37.1,27.138 37.1,28.555 37.755,29.21 38.865,29.21 39.875,28.2 J3.2@40.87,28.2
  Bottom Layer w0.102: J2.57@4.54,19.4 4.15,19.4 3.748,19.802 3.748,19.928 3.747,19.93 3.747,27.932 3.748,27.933 3.748,28.098 5.345,29.695 9.374,29.695 9.705,29.365 v1(10.428,29.365)
DBG_UART_TX: J2.59 J3.3 | length 49
  Layer 3 w0.102: v1(10.15,28.908) 10.608,28.908 10.875,29.175 27.575,29.175 28.7,28.05 28.7,25.888 30.25,24.339 34.909,24.339 37.978,27.408 37.978,27.443 38.33,27.795 J3.3@38.33,28.2
  Bottom Layer w0.102: J2.59@4.54,19.8 4.502,19.838 4.126,19.838 3.95,20.014 3.95,27.847 4.038,27.935 4.038,27.953 4.127,28.042 4.145,28.042 5.554,29.452 9.33,29.452 9.62,29.162 9.896,29.162 v1(10.15,28.908)
EEPROM_A0: R59.1 R63.2 U8.1 | length 3.5
  Bottom Layer w0.102: U8.1@15.8,28.225 15.811,28.214 17.829,28.214 18.026,28.411 18.026,28.501 R63.2@18.2,28.675 R59.1@19.05,28.675
EEPROM_A1: R60.1 R64.2 U8.2 | length 3.6
  Bottom Layer w0.102: U8.2@15.8,27.575 16.503,27.575 16.886,27.958 17.742,27.958 R64.2@18.2,27.5 R60.1@19.05,27.5
EEPROM_A2: R61.1 R65.2 U8.3 | length 3.5
  Bottom Layer w0.102: U8.3@15.8,26.925 17.625,26.925 R65.2@18.2,26.35 R61.1@19.05,26.35
FSIN_L: J4.8 R5.1 TP2.1 | length 7
  Top Copper w0.102: TP2.1@28.4,27.95 28.15,27.95 27.25,27.05 v1(27.25,26.65) 27.25,25.837 28.237,24.85 28.95,24.85 29.78,24.02 J4.8@29.78,23.684
  Bottom Layer w0.102: v1(27.25,26.65) 27.85,26.65 R5.1@27.9,26.7
FSIN_R: J5.8 R6.1 | length 16.9
  Top Copper w0.102: J5.8@9.78,23.684 9.78,24.13 12.409,26.759 24.238,26.759 ; 24.239,26.758 24.392,26.758 v1(24.45,26.7)
  Bottom Layer w0.102: v1(24.45,26.7) R6.1@25.15,26.7
GND: C1.1 C2.1 C3.1 C4.1 C5.1 C6.1 C7.1 C8.1 C9.1 C10.1 C11.1 C12.1 C13.1 C14.1 C15.1 C16.1 C17.2 C18.1 C19.2 C20.1 C21.2 C22.1 C23.1 C24.1 C25.1 C26.1 C27.1 C28.1 C29.1 C30.1 C31.2 C36.1 C37.1 C38.1 C39.1 C40.1 C61.1 J1.1 J1.2 J1.7 J1.8 J1.13 J1.14 J1.19 J1.20 J1.25 J1.26 J1.30 J1.31 J1.43 J1.44 J1.50 J1.53 J1.58 J1.71 J1.72 J1.75 J1.76 J1.81 J1.82 J1.87 J1.88 J1.93 J1.94 J1.99 J1.100 J2.1 J2.2 J2.3 J2.4 J2.13 J2.14 J2.15 J2.16 J2.29 J2.30 J2.32 J2.38 J2.39 J2.40 J2.46 J2.49 J2.55 J2.61 J2.67 J2.73 J2.78 J2.79 J2.82 J2.85 J2.87 J2.88 J2.93 J2.94 J2.99 J2.100 J3.4 J4.2 J4.4 J4.11 J4.12 J4.15 J4.18 J4.21 J4.24 J4.27 J4.31 J5.2 J5.4 J5.11 J5.12 J5.15 J5.18 J5.21 J5.24 J5.27 J5.31 J6.A1 J6.A12 J6.B1 J6.B12 J6.SH1 J6.SH2 J6.SH3 J6.SH4 MH1.1 MH2.1 Q1.2 Q2.2 Q3.2 R4.2 R17.1 R18.1 R19.1 R20.1 R21.1 R22.1 R23.2 R24.2 R27.2 R28.2 R32.1 R34.2 R36.2 R39.2 R40.2 R41.1 R42.2 R52.1 R62.1 R63.1 R64.1 R65.1 SW1.1 SW1.3 SW2.1 SW2.3 TP9.1 TP10.1 TP11.1 TP12.1 U1.6 U1.7 U2.2 U2.3 U2.9 U3.2 U3.4 U3.11 U4.2 U4.5 U5.5 U5.11 U5.20 U5.21 U6.3 U6.10 U8.4 | length 161